# Altium PCB PCB2.PcbDoc (part 1 of 3) (continued)
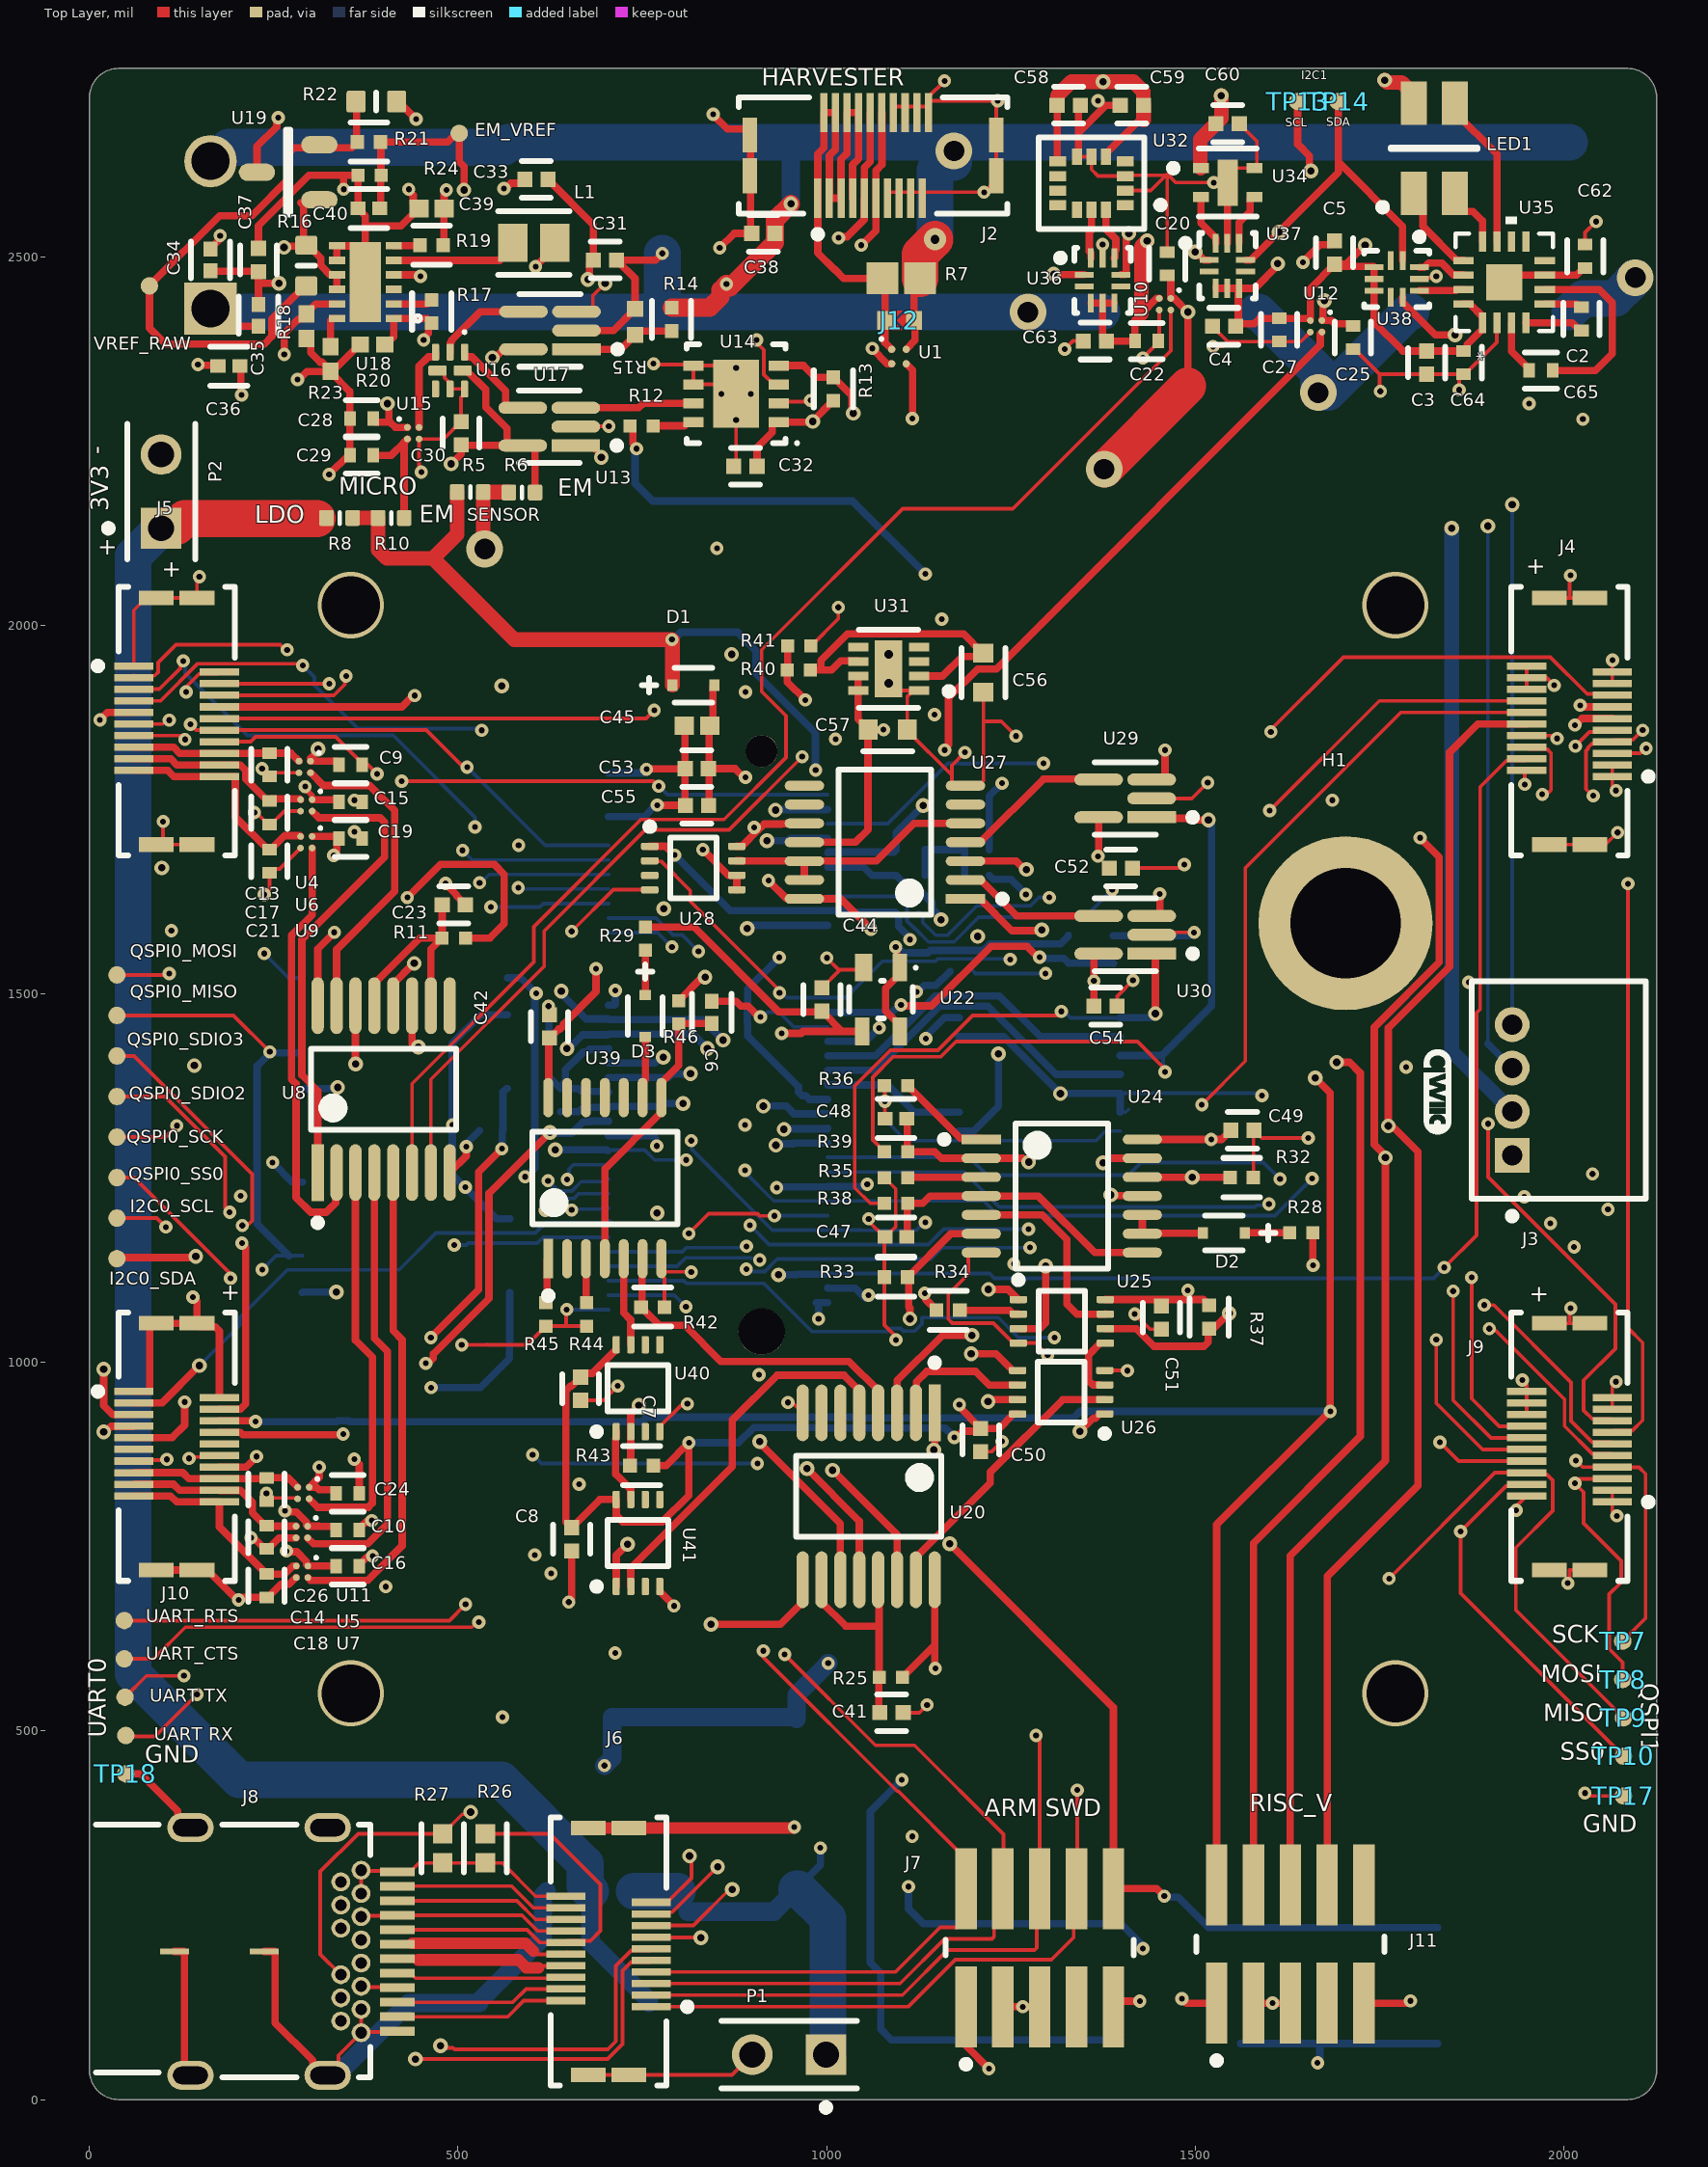
[diagram p0: Top Layer view]
## Part data (continued)
EM_VREF I2C0_SCL I2C0_SDA QSPI0_MISO QSPI0_MOSI QSPI0_SCK QSPI0_SDIO2 QSPI0_SDIO3 QSPI0_SS0 TP7 TP8 TP9 TP10 TP13 TP14 TP17 TP18 "UART RX" "UART TX" UART_CTS UART_RTS VREF_RAW: library part CMP-00028-00002-2, "0.6mm round", Pins=1
H1: library part STAND-OFF-REFLOW2.5MM_TALL, Package=STAND-OFF-REFLOW-M2.5, DeviceName=2.5MM_TALL, DeviceSetName=STAND-OFF-REFLOW, GateName_1=G$1, LibraryName=SparkFun-Hardware, PROD_ID=HW-14899, SymbolName_1=STAND-OFF-REFLOW
J1: library part MICROMOD-2222-C, Package=M.2-CONNECTOR-E, DeviceName=-2222-C, DeviceSetName=MICROMOD, GateName_1=J1, LibraryName=SparkFun-MicroMod, PROD_ID=CONN-14877, SymbolName_1=MICROMOD
J2 J4 J5 J6 J9 J10: library part CMP-003-000000-1, "20 Position Connector Plug, Outer Shroud Contacts Surface Mount Gold", Current Rating=0.3A, Digikey Part Number=900-2039560203CT-ND, Manufacturer=Molex, Mouser Part Number=538-203956-0203, Package=0, Temperature="-40°C to +125°C", Temperature Range High=+125°C, Temperature Range Low=-40°C, Voltage Rating=40V, Automotive=No, ComponentLink1Description=Upverter, ComponentLink1URL=https://upverter.com/part/id/0a58283e91808ac4/, ComponentLink2Description=Datasheet, ComponentLink2URL=https://www.molex.com/webdocs/datasheets/pdf/en-us/2039560203_PCB_HEADERS.pdf, Conn Gender=Male, Conn Orientation=Vertical, Contact Material=Gold,Nickel, Datasheet Path=datasheets/Conn_Molex_2039560203_eec.pdf, Digikey Description="CONN PLUG 20POS SMD GOLD", Footprint Url=https://www.molex.com/pdm_docs/sd/2039560203_sd.pdf, Height=4.55mm, helpURL=https://upverter.com/part/id/0a58283e91808ac4/, Is Female=no, Lead Free=Yes, Number Of Contacts=20, Number Of Rows=2, Part Number=2039560203, Pitch=0.4mm, RoHS=TRUE, Symbol Hash=db22f1623fbfed54a22177e49599976dea34d6b12f98f445fc170047d3fb1d12, Verification Version=0.0.0.3
J3: library part CMP-17439-000004-1, "CONN HEADER R/A 4POS 1.5MM", Current Rating=1A, Manufacturer=JST, Temperature="-25°C to +85°C", Temperature Range High=+85°C, Temperature Range Low=-25°C, Voltage Rating=50V, Automotive=No, Category=Conn, ComponentLink2Description=Datasheet, ComponentLink2URL=http://www.jst-mfg.com/product/pdf/eng/eZH.pdf, Conn Gender=Male, Conn Orientation="Right Angle", Contact Material=Tin, Device Class L1=Connectors, Device Class L2="Headers and Wire Housings", Device Class L3=unset, Digikey Description="CONN HEADER R/A 4POS 1.5MM", Height=3.7mm, Lead Free=Yes, Manufacturer Part Number=S4B-ZR(LF)(SN), Number Of Contacts=4, Number Of Rows=1, Octopart=https://octopart.com/s4b-zr%28lf%29%28sn%29-jst-248835, Package=S4B-ZR(LF)(SN), Pitch=1.5mm, RoHS=TRUE
J7 J11: library part CMP-02766-000120-1, "CONN HEADER SMD 10POS 1.27MM", Color=Black, Max Operating Temperature=125°C, Min Operating Temperature=-55°C, Package Quantity=500, Connector Type="Male Pin", Contact Material=Bronze, Contact Mating Length=0.12inch, Contact Plating=Gold, Depth=5.84mm, Housing Color=Black, Housing Material=Polymer, Lead Free="Lead Free", Length=6.35mm, Mount="Surface Mount", Number Of Contacts=10, Number of Positions=10, Number Of Rows=2, Orientation=Straight, Packaging="Tape and Reel", Pitch=1.27mm, Radiation Hardening=No, Row Spacing=0.05inch, Termination=Solder
J8: library part CMP-1502-03214-1, "USB 3.1 Type C Receptacle WR-COM, Horizontal, SMT / THT", Contact Resistance=30mOhm, Manufacturer="Wurth Elektronik", Operating Temperature=-40to105degC, Rated Current=5A, Working Voltage=20VDC, Connector Type=USB3.1TypeC, Datasheet URL=https://katalog.we-online.de/em/datasheet/632723x00011%282%29.pdf, Gender=Receptacle, Manufacturer URL=http://www.we-online.de, Mounting Technology=SMT/THT, Orientation=Horizontal, Package Reference=632723300011, Packaging=TapeandReel, Part Number=632723300011, Publisher=WurthElektronik
J12: library part CMP-009-00061-2, Pins=2
J13: library part CMP-2000-05815-1, "PCB Terminal Block, 13.5 A, 400 V, 2-Pin THD, RoHS, Bulk", Current Rating=13500mA, Manufacturer="Phoenix Contact", Package Description="2-Pin Through Hole Device, Body 8.1 x 10.16 mm, Pitch 5.08 mm", Package Reference=1729128-2, Package Version=03/2015, Voltage Rating=400V, Datasheet URL=https://datasheet.ciiva.com/16046/1729128-16046181.pdf, Datasheet Version=12/2013, Manufacturer URL=http://www.phoenixcontact.com/, Mounting Technology=ThroughHole, No. of Positions=2, No. of Rows=1, Orientation=Horizontal, Package URL=https://www.phoenixcontact.com/online/portal/pi/pxc/product_detail_page/!ut/p/b1/3VdJjqNKFDxLH8AFycySyWY2ozFsEPOMMQaDOX1XedGL_1Vdm5YXJleknhSKeBkvI6EA8ncAo3AYoDhBQGco6KN7VURTdemj9us_IEKEZo_YHiPAEWEFmDGOHMORkqKYCORBZxgL7ZoaZYcbFFUZ3fqxSY6GOuxydWUuHqz1ynmMFygu583Bob0Ewr6Sd_l-5m-kAueHiB0jpRwZwe58wwtkpxtMYd_LmGcDRU02dRNEyWt6Y2ti5pSyJ_reIkzIulrqApdnbT11V5jnCKbYNCvhEM1MCpPByat_X379-iThf08CI5GfOPqfBeS3BRoBOdD55AKVv0iLwCMq-2BrzXWSGRH7pUGD9uwXQjiph3xL0DKQwdGa0JImiIOmBNOestqgwTHSSs2oOep-78apyXQBvNi8ZLaFjvjWvcaUEBu0MC6Wbe-d6mB0FAebo2lUWinqYaZs5DAYzV0RP9yitUjnGJ0iI9xhZkT42OCQNUJJhkgWINNQLP2JFP6OpMg3JCVg70jqHT0lvKOnhHf0lPuOnnLf0VPuWx6_dxwUIvwk5WMkT0kLL1mh61l2yZVSzG3pYV_bqo-mj6uMKwKwdnnW8Jh5RTOJzMOA5c-eJDaZQw4mTMPH02PvS_ZAqNVjVTo2WyYLkwH_KU1mmmG5kjRhDqPXLwwVHvVOjCM60-fpXvTDfMGW1PVFVS1r4e4yVDk4ZdNbkUHvqPqQSeian4UD39fNKmachqdJ1NJbyk8rXT9mXTvPk3oE5meulKGgiruPJek-4I9hTT6G8ZLOyRSm2RRVbThERQad5OS28hdt4YW4vG0stgYYzsWsK4_7y6DZMjJSCqri1kyiZR5vD7pwIrNR7QwPHTcLTI5qT7eRlpHrdGiupYlqQDJ7zy_CND8fWWBoLRXxk1RVcXiBQwbTD4Xi7KL-FuO94t9xaqweXzH, Packing=Bulk, PartNumber=1729128, Pitch=5.08mm, RoHS=TRUE
L1: library part CMP-06042-016317-1, "Multilayer Type Inductor for Power Lines, 0805 (2012), 2.2μH, 30%, 0.288Ω, 0.8A", Case Code (Imperial)=0805, Case Code (Metric)=2012, Current Rating=800mA, DC Resistance (DCR)=288mR, Inductance=2.2uH, Inductance Tolerance=30%, Max Operating Temperature=125°C, Min Operating Temperature=-55°C, Package Quantity=4000, Self Resonant Frequency=40MHz, Test Frequency=1MHz, Case/Package=0805, Core Material=Ferrite, DC Current=800mA, Depth=1.4mm, Height=0.9mm, Height - Seated (Max)=0.039inch, Lead Free="Lead Free", Length=2mm, Max DC Current=800mA, Military Standard=Not, Mount="Surface Mount", Packaging="Tape and Reel", Radiation Hardening=No, REACH SVHC="No SVHC", RoHS Compliant=Yes, Series=LQM, Shielding=Shielded, Termination=SMD/SMT, Tolerance=30%, Width=0.049inch
LED1: library part CMP-1431-00001-1, "SMD Full-Color Top LED, WL-SFTW, Red & Green & Blue", Color="Red & Green & Blue", Manufacturer="Wuerth Elektronik", ComponentLink1Description="Manufacturer URL", ComponentLink1URL=http://www.we-online.com, ComponentLink2Description=Datasheet, ComponentLink2URL=http://katalog.we-online.com/led/datasheet/150141M173100.pdf, PackageReference=3528_A, PartNumber=150141M173100
P1 P2: library part CMP-2000-07492-1, "Male Header, Pitch 2.54 mm, 1 x 2 Position, Height 8.21 mm, Tail Length 3.05 mm, -65 to 105 degC, RoHS, Bulk", Case\/Package=100, Colour=Black, Current Rating=3A, Flammability Rating=UL94V-0, High Temperature Housing=Yes, Manufacturer="TE Connectivity", Max Current Rating=5A, Max Operating Temperature=105degC, Min Operating Temperature=-65degC, Package Description="Male Header, Pitch 2.54 mm, 1 x 2 Position, Height 8.21 mm, Tail Length 3.05 mm", Package Quantity=500, Approvals=CSA, Board Standoff=No(Without), Connector Type=Header, Contact Gender=Male, Contact Material=CopperAlloy, Contact Mating Length=0.23inch, Contact Plating=Matte, Contact Protection=No(Without), Contact Shape=Square, Datasheet URL=http://www.te.com/commerce/DocumentDelivery/DDEController?Action=showdoc&DocId=Customer+Drawing%7F146280%7FH1%7Fpdf%7FEnglish%7FENG_CD_146280_H1.pdf%7F5-146280-2, Datasheet Version="Rev. H1, 08/2016", Depth=2.34mm, Gasket=No(Without), High Speed Serial Data Connector=No, Housing Colour=Black, Housing Material=Polymer, Keyed=No, Length=4.67mm, Manufacturer URL=http://www.te.com/, Mating Alignment=No(Without), Mating Connector Lock=No(Without), Mating Post Length=0.23inch, Mount=ThroughHole, Mounting Technology=ThroughHole, Number Of Contacts=2, Number of Positions=2, Number Of Rows=1, Orientation=Straight, Package Reference=5-146280-2, Packaging=Carton, Panel Mount Retention=No(Without), PCB Mount Retention=Without, PCB Mounting Orientation=Vertical, PCB Thickness=0.063inch, Pitch=2.54mm, Radiation Hardening=No, RoHSCompliant=true, Row Spacing=2.54mm, Selectively Loaded=No(Without), Stabilizers=No(Without), Termination=ThroughHole, Termination Post Length=0.12inch
R1 R4: library part CMP-1011-00001-2, Manufacturer="Yageo / Phycomp", Resistance=0, Part Number=RC0402JR-070RL
R2 R3: library part CMP-2002-01154-4, "Chip Resistor, 4.7 KOhm, +/- 1%, 0.1 W, -55 to 155 degC, 0402 (1005 Metric), RoHS, Tape and Reel", Case Code (Imperial)=0402, Case Code (Metric)=1005, Max Operating Temperature="155 degC", Min Operating Temperature="-55 degC", Package Quantity=1, PartNumber=ERJ-2RKF4701X, Power Rating="100 mW", Resistance="4.7 KOhm", Tolerance=1%, Voltage Rating="50 V", Case\/Package=0402, ComponentLink1Description="Manufacturer URL", ComponentLink1URL=http://www.panasonic.com/, ComponentLink2Description=Datasheet, ComponentLink2URL=http://industrial.panasonic.com/cdbs/www-data/pdf/RDA0000/AOA0000C86.pdf, DatasheetVersion=04/2015, Height="0.35 mm", Length="1 mm", Mount="Surface Mount", Mounting Technology="Surface Mount", PackageDescription="2-Pin Surface Mount Device, Body 1 x 0.5 mm", PackageReference=0402, Packaging="Cut Tape", Pins=2, Radiation Hardening=No, REACH SVHC=Yes, RoHSCompliant=true, Width="0.5 mm"
R5 R6 R8 R10: library part CMP-009-00148-3, Case/Package=0402, Max Operating Temperature=155°C, Min Operating Temperature=-55°C, Pins=2
R7: library part CMP-2000-03807-1, Manufacturer="Vishay Dale", Part Number=WSL0603R0300FEA18
R9: library part CMP-2002-07139-1, Manufacturer="Yageo / Phycomp", Part Number=RC0402JR-075M6L
R11 R25 R29 R38 R39 R46: library part CMP-2002-00605-3, "Chip Resistor, 100 Ohm, +/- 1%, 100 mW, -55 to 155 degC, 0402 (1005 Metric), RoHS, Tape and Reel", Case Code (Imperial)=0402, Case Code (Metric)=1005, Manufacturer="Basic Passives", Max Operating Temperature="155 degC", Min Operating Temperature="-55 degC", Package Quantity=10000, Power Rating="100 mW", Resistance="100 Ohm", Tolerance=1%, Voltage Rating="50 V", Case\/Package=0402, ComponentLink1Description="Manufacturer URL", ComponentLink1URL=http://www.panasonic.com/, ComponentLink2Description=Datasheet, ComponentLink2URL=http://industrial.panasonic.com/cdbs/www-data/pdf/RDA0000/AOA0000C86.pdf, DatasheetVersion=04/2015, Height="0.35 mm", Length="1 mm", Mount="Surface Mount", Mounting Technology="Surface Mount", PackageDescription="2-Pin Surface Mount Device, Body 1 x 0.5 mm", PackageReference=0402, Packaging="Tape and Reel", PartNumber=ERJ-2RKF1000X, Pins=2, Radiation Hardening=No, REACH SVHC=Yes, RoHSCompliant=true, Width="0.5 mm"
R12: library part CMP-1011-00881-2, Manufacturer="Vishay Dale", Part Number=CRCW04022M00FKED, Resistance="2M Ohm"
R13 R14 R21 R30 R31 R32 R33 R34 R37 R42 R43: library part CMP-1011-00170-3, "RES Thick Film, 10MΩ, 5%, 0.063W, 200ppm/°C, 0402", Case Code (Imperial)=0402, Case Code (Metric)=1005, Max Operating Temperature=155°C, Max Power Dissipation=63mW, Min Operating Temperature=-55°C, Package Quantity=1, Resistance=10MR, Temperature Coefficient=200ppm/°C, Tolerance=5%, Voltage Rating=50V, Case/Package=0402, Composition="Thick Film", Contact Plating=Tin, Depth=0.5mm, Features="Automotive AEC-Q200", Height=0.016inch, Lead Free="Lead Free", Length=1mm, Military Standard=Not, Number of Terminations=2, Packaging="Tape and Reel", Power Rating=63mW, Radiation Hardening=No, Termination=SMD/SMT, Voltage Rating (DC)=50V, Weight=2.3E-05oz, Width=0.5mm
R15: library part CMP-2002-01101-1, Manufacturer=Panasonic, Resistance=909K, Part Number=ERJ-2RKF9093X
R16 R22: library part CMP-009-00175-3, Case/Package=0603, Max Operating Temperature=155°C, Min Operating Temperature=-55°C, Pins=2
R17 R19: library part CMP-2002-08122-2, "RES Thick Film, 0Ω, 0.063W, 0402", Case Code (Imperial)=0402, Case Code (Metric)=1005, Max Operating Temperature=155°C, Max Power Dissipation=63mW, Min Operating Temperature=-55°C, Package Quantity=1, Resistance=0mR, Temperature Coefficient=100ppm/°C, Tolerance=5%, Voltage Rating=50V, Case/Package=0402, Composition="Thick Film", Contact Plating=Tin, Depth=0.5mm, Features="Automotive AEC-Q200", Height=0.35mm, Lead Free="Lead Free", Length=1mm, Military Standard=Not, Mount="Surface Mount", Number of Terminations=2, Packaging="Tape and Reel", Power Rating=63mW, Radiation Hardening=No, Termination=SMD/SMT, Voltage Rating (DC)=50V, Weight=2.3E-05oz, Width=0.5mm
R18 R20 R23: library part CMP-1011-00001-2, Manufacturer="Yageo / Phycomp", Part Number=RC0402JR-070RL
R24: library part CMP-1011-00881-2, Manufacturer="Vishay Dale", Part Number=CRCW04022M00FKED, Resistance=2M
R26 R27: library part CMP-1011-00590-4, "RES Thick Film, 5.1kΩ, 1%, 0.063W, 100ppm/°C, 0402", Case Code (Imperial)=0402, Case Code (Metric)=1005, Max Operating Temperature=155°C, Max Power Dissipation=63mW, Min Operating Temperature=-55°C, Package Quantity=10, Resistance=5.1kR, Temperature Coefficient=100ppm/°C, Tolerance=1%, Voltage Rating=50V, Case/Package=0402, Composition="Thick Film", Contact Plating=Tin, Depth=0.5mm, Features="Automotive AEC-Q200", Height=0.35mm, Lead Free="Lead Free", Length=1mm, Military Standard=Not, Number of Terminations=2, Packaging="Tape and Reel", Power Rating=63mW, Radiation Hardening=No, Termination=SMD/SMT, Voltage Rating (DC)=50V, Weight=2.3E-05oz, Width=0.02inch
R28: library part CMP-2000-07588-1, "Chip Resistor, 10 KOhm, +/- 1%, 0.1 W, -55 to 155 degC, 0402 (1005 Metric), RoHS, Tape and Reel", Case Code (Imperial)=0402, Case Code (Metric)=1005, Manufacturer=Panasonic, Max Operating Temperature=155degC, Max Power Dissipation=100mW, Min Operating Temperature=-55degC, Package Description="2-Pin Surface Mount Device, Body 1 x 0.5 mm", Package Quantity=1, Package Reference=402, Resistance=10KOhm, Temperature Coefficient=100ppm\/degreesC, Tolerance=1%, Voltage Rating=50V, Case\/Package=0402, Composition=ThickFilm, Contact Plating=Tin, Datasheet URL=https://industrial.panasonic.com/cdbs/www-data/pdf/RDA0000/AOA0000C304.pdf, Datasheet Version=02/2017, Depth=0.5mm, Height=0.35mm, Lead Free=LeadFree, Length=1mm, Manufacturer URL=http://www.panasonic.com/, Military Standard=Not, Mount=SurfaceMount, Mounting Technology=SurfaceMount, Number of Pins=2, Number of Terminations=2, Packaging=TapeandReel, Power Rating=100mW, Radiation Hardening=No, REACH SVHC=NoSVHC, RoHSCompliant=True, Termination=SMD/SMT, Voltage Rating (DC)=50V, Width=0.02inch
R35 R36 R44 R45: library part CMP-2002-08382-1, Manufacturer="Vishay Dale", Part Number=CRCW040222R0FKED
R40: library part CMP-2002-00597-1, Manufacturer=Panasonic, Part Number=ERJ-2GEJ915X
R41: library part CMP-1011-00890-2, Manufacturer="Vishay Dale", Part Number=CRCW04022M40FKED
R47: library part CMP-2002-07490-1, Manufacturer="Yageo / Phycomp", Part Number=RC0402FR-071ML
SW1 SW2: library part CMP-05618-000127-1, "SWITCH TACTILE SPST-NO 0.02A 15V", Actuator Color=White, Case/Package=SMD/SMT, Contact Current Rating=20mA, Contact Resistance=100mR, Max Operating Temperature=85°C, Max Voltage Rating (AC)=250V, Max Voltage Rating (DC)=15V, Min Operating Temperature=-40°C, Operating Force=1N, Package Quantity=1, Actuator Length=1.3mm, Actuator Type=Standard, Body Depth=6mm, Color=White, Contact Plating=Gold, Current Rating=20mA, Depth=6.6mm, Electrical Life=1000000Cycles, Height=3.1mm, Illumination Type=Non-Illuminated, Lead Free="Lead Free", Length=6mm, Max Current Rating=20mA, Mechanical Life=1000000Cycles, Mount="Surface Mount", Number of Poles=1, Orientation=Straight, Packaging="Tape and Reel", Radiation Hardening=No, RoHS Compliant=Yes, Series=EVQQ2, Size=1.8mm, Switch Function=Off-Mom, Switch Travel=0.2mm, Termination=SMD/SMT, Thickness=1.8mm, Throw Configuration=SPST, Voltage Rating (AC)=250V, Voltage Rating (DC)=15V, Width=6.5mm
U1: library part CMP-0252-00019-2, "1 uA, 4-Bump, Precision Current-Sense Amplifier, 200 V / V Gain, -40 to 85 degC, 4-Pin BGA (R41A1+1), Pb-Free, Tape and Reel", Bi-Dir. Curr. Sense=No, ComponentLink1Description="Manufacturer URL", ComponentLink1URL=http://www.maximintegrated.com/, ComponentLink2Description=Datasheet, ComponentLink2URL=http://datasheets.maximintegrated.com/en/ds/MAX9634.pdf, ComponentLink3Description="Package Specification", ComponentLink3URL=http://pdfserv.maximintegrated.com/package_dwgs/21-0242.PDF, DatasheetVersion="Rev. 2", Gain="25 V/V, 50 V/V ,100 V/V ,200 V/V", Mounting Technology="Surface Mount", PackageDescription="4-Pin Ultra Chip-Scale Package, Body 1 x 1 mm, Pitch 0.5 mm", PackageReference=R41A1+1, PackageVersion="Rev. A, 06/2008", PartNumber=MAX9634WERS+T
U3: library part CMP-0062-01751-3, "1.5A Fast Ultra Low Dropout Linear Regulator, 5-pin SOT-223, Pb-Free", Manufacturer="Texas Instruments", PackageTopMarking=XYTT*LHVB, PowerWise=N, Code_IPC=SOT223-5, Code_JEDEC=TO-261-AB, ComponentLink1Description="Datasheet URL", ComponentLink1URL=http://www.ti.com/general/docs/lit/getliterature.tsp?genericPartNumber=LP3852&fileType=pdf, CompType="LDO IC", PackageDescription="Moldec SOT-223, 6.50 x 3.56 x 1.6mm Body, 5 Lead, 1.5mm Pitch", PackageReference=NDC0005A, PinCount=5, RoHS=Y
U8 U20: library part CMP-04904-000006-1, "AUTOMOTIVE 8-BIT SHIFT REGISTERS"
U13 U17 U29 U30: library part CMP-04896-000044-1, "IC COMPARATOR NANO-POWER SC70-5", Case/Package=SC, Input Bias Current=100pA, Input Offset Voltage (Vos)=3mV, Max Dual Supply Voltage=3.25V, Max Operating Temperature=125°C, Max Supply Voltage=6.5V, Min Dual Supply Voltage=450mV, Min Operating Temperature=-40°C, Min Supply Voltage=900mV, Output Current=42mA, Package Quantity=3000, Quiescent Current=150nA, Contact Plating=Gold, Lead Free="Lead Free", Max Input Current=100pA, Mount="Surface Mount", Number of Channels=1, Number of Elements=1, Number of Pins=5, Packaging="Tape and Reel", Propagation Delay=35us, Radiation Hardening=No, Response Time=24us, RoHS Compliant=Yes, Type="General Purpose"
U14: library part CMP-0023-00299-1, "200kOhm, Digital Potentiometer with 3-Wire Serial SPI Control Interface, Non-Volatile, Linear Taper, 256 Steps, -40 to 85 degC, 8-pin TDFN-EP (T833+2), Pb-Free, Tape and Reel", Code_JEDEC=MO229, ComponentLink1Description="Manufacturer URL", ComponentLink1URL=http://www.maximintegrated.com/, ComponentLink2Description=Datasheet, ComponentLink2URL=http://datasheets.maximintegrated.com/en/ds/MAX5422-MAX5424.pdf, ComponentLink3Description="Package Specification", ComponentLink3URL=http://pdfserv.maximintegrated.com/package_dwgs/21-0137.PDF, Control Interface="3-Wire Serial SPI", DatasheetVersion="Rev. 0", Features="EEPROM Wiper Memory", Mounting Technology="Surface Mount", PackageDescription="8-Pin Plastic Very Very Thin Dual Flatpack No Leads, Exposed Pad (T833+2)", PackageReference=T833+2, PackageVersion="Rev. J, 08/2009", PartNumber=MAX5424ETA+T
U16: library part CMP-0859-00978-3, "Low-Power Single Positive-Edge-Triggered D-Type Flip-Flop, RSE0008A, LARGE T&R", F @ Nom Voltage(Max)(Mhz)=100, Generic Part Number=SN74AUP1G74, ICC @ Nom Voltage(Max)(mA)=0.0009, Manufacturer="Texas Instruments", Operating Temperature Range(C)="-40 to 85", Rating=Catalog, tpd @ Nom Voltage(Max)(ns)=38,26,17,13,9,7, Voltage(Nom)(V)=0.8,1.2,1.5,1.8,2.5,3.3, 3-State Output=No, Bits(#)=1, DatasheetVersion=SCES644C, Input Type=CMOS, Logic=True, Output Drive (IOL/IOH)(Max)(mA)=20/-20, Output Type=CMOS, PackageReference=RSE0008A, Schmitt Trigger=No, Sub-Family="D-Type Flip-Flop", Technology Family=AUP, VCC(Max)(V)=3.6, VCC(Min)(V)=0.8
U18 U35: "No Description Available", RefDes=RefDes, Type=DEV
  U18: Built_By=EMA_Matt, Copyright="Copyright (C) 2018 Accelerated Designs. All rights reserved", Datasheet=https://www.ti.com/lit/ds/symlink/tps61094.pdf?ts=1615883226162, Manufacturer_Part_Number=XTPS61094DSSR, SourceLibrary=Add_to_database_2021-03-17, Vendor="Texas Instruments"
  U35: Built_By=EMA_UL_Team, Copyright="Copyright (C) 2021 Accelerated Designs. All rights reserved", Manufacturer_Part_Number=MAX8647ETE+T, Revision=4, SourceLibrary=Update_to_database_2021-01-29, Vendor="Maxim Integrated Products"
U19: library part IC_Intersil_ISL21080DIH309Z-TK_eec, "IC VREF SERIES 0.9V SOT23-3", Digikey Part Number=ISL21080DIH309Z-TKCT-ND, Manufacturer=Intersil, Mouser Part Number=968-ISL21080DIH309ZT, Package=SOT23-3, Temperature="-40°C to +85°C", Temperature Range High=+85°C, Temperature Range Low=-40°C, ComponentLink1Description=Upverter, ComponentLink1URL=https://upverter.com/upn/revision/cea4d3e56c7c7365/, ComponentLink2Description=Datasheet, ComponentLink2URL=https://www.intersil.com/content/dam/Intersil/documents/isl2/isl21080.pdf, Digikey Description="IC VREF SERIES 0.9V SOT23-3", helpURL=https://upverter.com/upn/revision/cea4d3e56c7c7365/, Lead Free=yes, Part Number=ISL21080DIH309Z-TK, Price=1.15623202851, RoHS=TRUE, Supplier 1=Digi-Key, Supplier 2=Mouser, Supplier Part Number 1=ISL21080DIH309Z-TKCT-ND, Supplier Part Number 2=968-ISL21080DIH309ZT
U23 U24 U27 U39: library part CMP-04892-000059-1, "IC SWITCH QUAD SPST 14TSSOP", Case/Package=TSSOP, High Level Output Current=100mA, Max Operating Temperature=85°C, Max Supply Current=75nA, Max Supply Voltage=3.6V, Min Operating Temperature=-40°C, Min Supply Voltage=1.6V, On-State Resistance=900mR, Operating Supply Voltage=3V, Package Quantity=1, Bandwidth=125MHz, Contact Plating=Gold, Height=1.05mm, Lead Free="Lead Free", Length=5.1mm, Low Level Output Current=100mA, Mount="Surface Mount", Number of Channels=4, Number of Inputs=4, Number Of Outputs=4, Number of Pins=14, Packaging="Tape and Reel", Polarity=Non-Inverting, Radiation Hardening=No, REACH SVHC="No SVHC", RoHS Compliant=Yes, Supply Type=Single, Termination=SMD/SMT, Throw Configuration=SPST, Turn-Off Delay Time=9ns, Turn-On Delay Time=14ns, Weight=0.002018oz, Width=4.5mm
U25 U40: library part CMP-0859-00590-3, "Low-Power Dual 2-Input Positive-NAND Gate, DCU0008A, LARGE T&R", F @ Nom Voltage(Max)(Mhz)=100, Generic Part Number=SN74AUP2G00, ICC @ Nom Voltage(Max)(mA)=0.0009, Manufacturer="Texas Instruments", Operating Temperature Range(C)="-40 to 85", Rating=Catalog, tpd @ Nom Voltage(Max)(ns)=31.8,26.3,16.6,12.9,8.8,6.7, Voltage(Nom)(V)=0.8,1.2,1.5,1.8,2.5,3.3, 3-State Output=No, Bits(#)=2, DatasheetVersion=SCES752C, Gate Type=NAND, Input Type=CMOS, Logic=True, Output Drive (IOL/IOH)(Max)(mA)=20/-20, Output Type=CMOS, PackageReference=DCU0008A, Schmitt Trigger=No, Sub-Family="NAND Gate", Technology Family=AUP, VCC(Max)(V)=3.6, VCC(Min)(V)=0.8
U26 U28 U41: library part CMP-0859-00716-3, "Low-Power Dual Positive-Edge-Triggered D-Type Flip-Flop, DCU0008A, LARGE T&R", F @ Nom Voltage(Max)(Mhz)=100, Generic Part Number=SN74AUP2G79, ICC @ Nom Voltage(Max)(mA)=0.0009, Manufacturer="Texas Instruments", Operating Temperature Range(C)="-40 to 85", Rating=Catalog, tpd @ Nom Voltage(Max)(ns)=27.2,17.3,13.3,11.3,7.8,6.3, Voltage(Nom)(V)=0.8,1.2,1.5,1.8,2.5,3.3, 3-State Output=No, Bits(#)=2, DatasheetVersion=SCES755C, Input Type=CMOS, Logic=True, Output Drive (IOL/IOH)(Max)(mA)=20/-20, Output Type=CMOS, PackageReference=DCU0008A, Schmitt Trigger=No, Sub-Family="D-Type Flip-Flop", Technology Family=AUP, VCC(Max)(V)=3.6, VCC(Min)(V)=0.8
U31: library part CMP-06324-000006-1, "IC REG LINEAR 1.2V 150MA 8VDFN", Dropout Voltage=380mV, Manufacturer="Microchip Technology", Max Junction Temp=+150°C, Max Supply Voltage=5.5V, Min Supply Voltage=2.5V, Nominal Supply Current=0.02uA, Output Current=150mA, Output Voltage=1.2V, Package=C04-1207A, Temperature="-40°C to +85°C", Temperature Range High=+85°C, Temperature Range Low=-40°C, Automotive=No, Category=IC, ComponentLink2Description=Datasheet, ComponentLink2URL=http://ww1.microchip.com/downloads/en/DeviceDoc/20005623B.pdf, Device Class L1="Integrated Circuits (ICs)", Device Class L2="Power Management ICs", Device Class L3="Voltage Regulators - Linear", Digikey Description="IC REG LINEAR 1.2V 150MA 8VDFN", Height=0.9mm, Ipc Land Pattern Name=DFN200X200X85-8, Lead Free=Yes, Manufacturer Part Number=MCP1810T-12I/J8A, Number Of Outputs=1, Octopart=https://octopart.com/mcp1810t-12i%2Fj8a-microchip-75615047, Output Type=Fixed, RoHS=TRUE, Standoff Height=0mm
U32: library part CMP-12177-000013-1, "INEMO INERTIAL MODULE", Manufacturer=STMicroelectronics, Max Supply Voltage=3.6V, Min Supply Voltage=1.62V, Operating Supply Current=0.35-0.75mA, Package=LGA-14L-DM00249496, Temperature="-40°C to +85°C", Temperature Range High=+85°C, Temperature Range Low=-40°C, Accel Range=2/4/8/16g, Automotive=No, Category=IC, ComponentLink2Description=Datasheet, ComponentLink2URL=https://www.st.com/resource/en/datasheet/ism330dlc.pdf, Device Class L1=Sensors, Device Class L2="Motion Sensors", Device Class L3="Inertial Measurement Units (IMUs)", Digikey Description="INEMO INERTIAL MODULE", Footprint Url=https://www.st.com/content/ccc/resource/technical/document/technical_note/73/17/9c/16/dd/96/4a/01/CD00134799.pdf/files/CD00134799.pdf/jcr:content/translations/en.CD00134799.pdf, Gyro Range=125/250/500/1000/2000°/s, Height=0.86mm, Lead Free=Yes, Manufacturer Part Number=ISM330DLCTR, Octopart=https://octopart.com/ism330dlctr-stmicroelectronics-85149243, RoHS=TRUE, Sensor Output=I2C,SPI, Sensor Type=Temperature,Accelerometer,Gyroscope
U33 U42: library part CMP-12945-000022-1, "IC FRAM 8MBIT 40MHZ 8EIAJ", RoHS Compliant=Yes
U34: library part CMP-144040-000003-1, "SENSOR HUMI/TEMP I2C 2% SMD", Manufacturer=Sensirion, Max Supply Voltage=3.6V, Min Supply Voltage=1.62V, Operating Supply Current=0.3-900uA, Package=0, Temperature="-40°C to +125°C", Temperature Range High=+125°C, Temperature Range Low=-40°C, Accuracy=2%, Automotive=No, Category=IC, ComponentLink2Description=Datasheet, ComponentLink2URL=https://www.sensirion.com/fileadmin/user_upload/customers/sensirion/Dokumente/0_Datasheets/Humidity/Sensirion_Humidity_Sensors_SHTC3_Datasheet.pdf, Device Class L1=Sensors, Device Class L2="Temperature and Humidity Sensors", Device Class L3=unset, Digikey Description="SENSOR HUMI/TEMP I2C 2% SMD", Height=0.75mm, Interface=I2C, Ipc Land Pattern Name=DFN200X200X75-4, Lead Free=Yes, Manufacturer Part Number=SHTC3, Mouser Description="SHTC3 Series 0 to 100% RH 3.6 V Humidity and Temperature Sensor IC - DFN-4", Octopart=https://octopart.com/shtc3-sensirion-91912225, Resolution=16bits, RoHS=TRUE, Sensor Output=I2C
U36 U37 U38: library part CMP-09113-000012-1, "IC SWITCH DUAL SPDT 10LFCSP", Manufacturer="Analog Devices", Max Supply Voltage=3.6V, Min Supply Voltage=1.65V, Nominal Supply Current=0.003uA, On State Resistance=0.5Ω, Package=CP-10-10, Temperature="-40°C to +85°C", Temperature Range High=+85°C, Temperature Range Low=-40°C, -3Db Bandwith=90MHz, Automotive=No, Category=IC, ComponentLink2Description=Datasheet, ComponentLink2URL=https://www.analog.com/media/en/technical-documentation/data-sheets/ADG824.pdf, Device Class L1="Integrated Circuits (ICs)", Device Class L2="Interface ICs", Device Class L3="Analog Switches", Digikey Description="IC SWITCH DUAL SPDT 10LFCSP", Footprint Url=https://www.analog.com/media/en/symbols-footprints/symbols/ADG824BCPZ-REEL7.bxl, Height=0.6mm, Interface=LVCMOS, Lead Free=Yes, Manufacturer Part Number=ADG824BCPZ-REEL7, Mux Demux Ratio=1:2, Number Of Circuits=2, Octopart=https://octopart.com/adg824bcpz-reel7-analog+devices-12410880, RoHS=TRUE, Standoff Height=0.02mm, Throw Configuration=SPDT

## Via types
v1: diameter 18, hole 8, Top Layer to Bottom Layer, 311 vias
v2: diameter 20, hole 10, Top Layer to Bottom Layer, 102 vias
v3: diameter 50, hole 28, Top Layer to Bottom Layer, 6 vias
v4: diameter 90, hole 78.74, Top Layer to Bottom Layer, 4 vias
v5: diameter 19.68, hole 7.87, Top Layer to Bottom Layer, 4 vias
v6: diameter 23.62, hole 11.81, Top Layer to Bottom Layer, 2 vias
v7: diameter 30, hole 12, Top Layer to Bottom Layer, 1 vias

## Nets (pads, with @x,y where several pads share a name; then routed paths per layer and width w, separated by ;. In a path a pad name is that pad's centre, name@x,y a point inside that pad or via, vN(x,y) a via of type N, cw(c..) or ccw(c..) an arc to the next point about the centre after c; other vN are vias at no path point)
1V8: J1.72 J7.1 J11.1 R1.1 | length 1838.8
  Top Layer w10: J7.1@1189.09,125.94 1189.09,72.94 v1(1220.09,41.94) ; v1(1482.09,136.94) 1488.21,130.83 J11.1@1529.09,130.83
  Int1 (GND) w10: v1(1056.66,1091.25) 1060.66,1087.25 1078.75,1087.25 1127.77,1136.27 1234.87,1136.27 1235.59,1135.56 1252.64,1135.56 v1(1254.17,1134.02)
  Int2 (PWR) w10: v1(1056.66,1091.25) 1056.66,1065.16 1056.66,943.26 1214.09,785.83 1214.09,452.94 1118.09,356.94 v1(1116.09,356.94) ; v1(1254.17,1134.02) 1255.09,1134.94 1255.09,1376.32 1270.39,1391.61 v1(1270.39,1635.15)
  Bottom Layer w10: J1.72@1001.38,1101.1 1038.94,1101.1 1052.73,1087.31 v1(1056.66,1091.25) ; R1.1@1220.83,1660.94 1226.04,1655.73 1249.8,1655.73 v1(1270.39,1635.15)
ADC0: J1.40 U23.2 | length 453.6
  Bottom Layer w10: J1.40@1001.34,1416.09 1066.22,1416.09 1147.55,1497.42 1234.53,1497.42 1289.83,1442.13 U23.2@1398.36,1442.13
ADC1: J1.42 U23.4 | length 471.4
  Bottom Layer w10: J1.42@1001.34,1396.41 1066.34,1396.41 1153.35,1483.42 1218.84,1483.42 1311.32,1390.94 U23.4@1398.36,1390.94
ADC2: J1.44 U23.9 | length 198.6
  Bottom Layer w5: J1.44@997.94,1380.13 J1.44@1001.34,1376.72
  Bottom Layer w10: J1.44@1001.34,1376.72 1082.38,1376.72 1119.34,1339.76 U23.9@1179.83,1339.76
AIN0: J1.34 J5.8 R9.2 R47.2 | length 1701.2
  Top Layer w10: J5.8@176.18,1889.57 423.55,1889.57 438.93,1904.94 v1(441.09,1904.94) ; v1(1100.91,1485.13) 1102.09,1483.94 1142.09,1483.94 1223.09,1564.94 1271.93,1564.94 1286.93,1549.94 v1(1289.09,1549.94)
  Int1 (GND) w10: v1(441.09,1904.94) 545.22,1904.94 583.22,1866.94 917.67,1866.94 938.67,1845.94 v1(1012.09,1845.94)
  Int2 (PWR) w10: v1(1012.09,1845.94) 1012.09,1573.94 v1(1100.91,1485.13)
  Bottom Layer w10: J1.34@1002.25,1476.06 J1.34@1001.34,1475.15 1088.77,1475.15 1098.75,1485.13 v1(1100.91,1485.13) ; v1(1289.09,1549.94) 1290.63,1548.41 1321.92,1548.41 R9.2@1328.09,1542.24 1328.44,1541.89 1388.74,1541.89 R47.2@1389.09,1541.54